# Altium PCB Mainboard.PcbDoc (part 1 of 4) (continued)
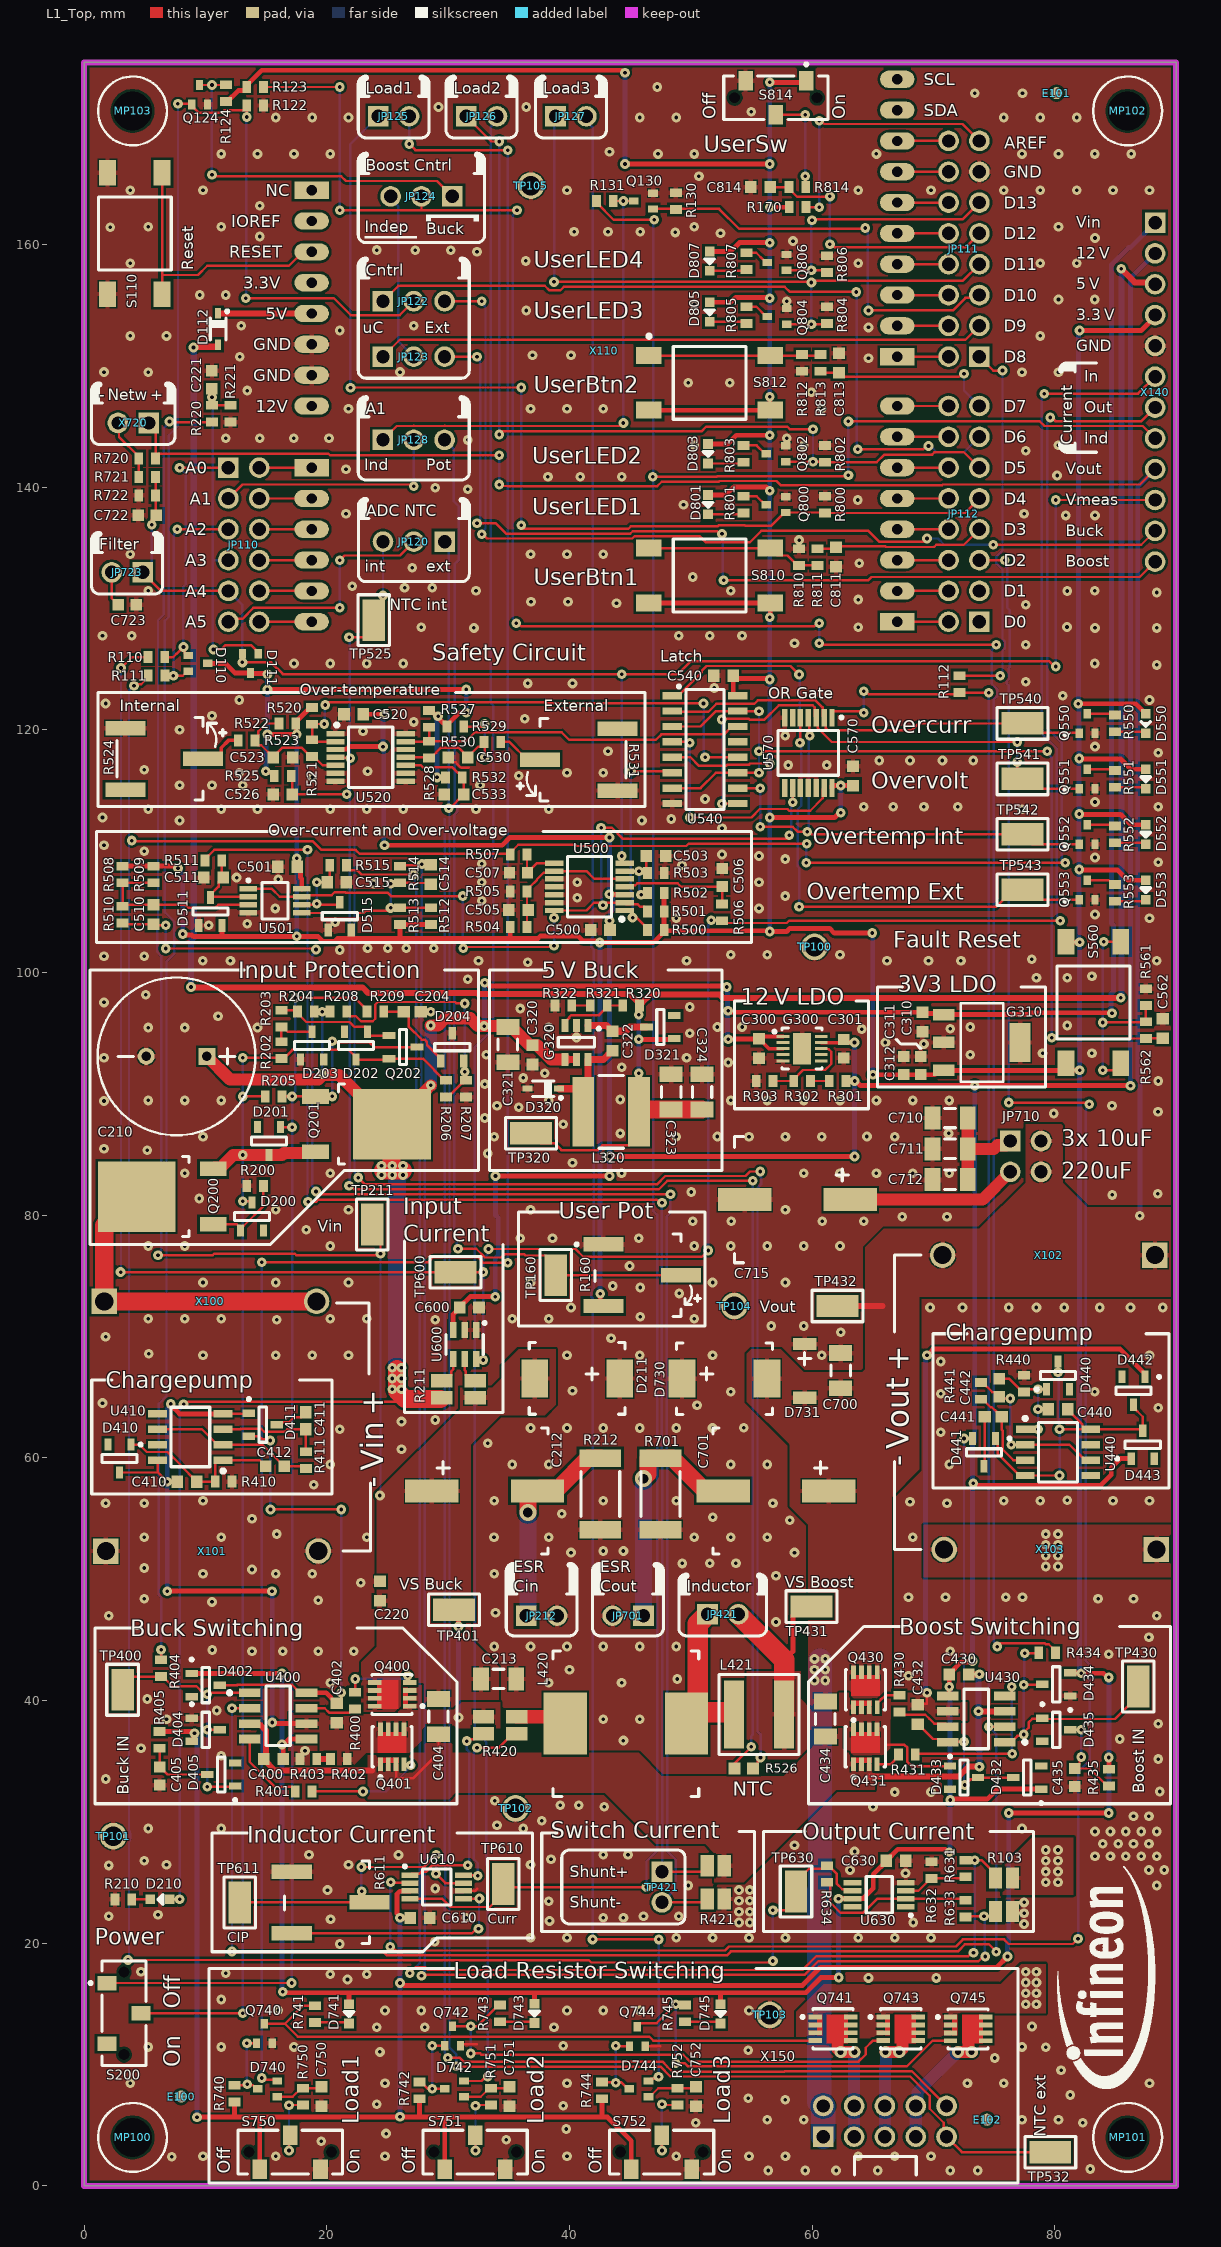
[diagram p0: L1_Top view]
## Components (designator, comment, footprint, x,y, rotation, side; value= is the part's Value field where it differs from the comment) (continued)
G320 "MCP16301T-E/CH" SOT95P280X145-6N-9 40.579,94.237 r270 top
JP110 "61301221121" CON-M-THT-61301221121 13.168,135.255 r0 top
JP111 "61301621121" CON-M-THT-61301621121 72.517,159.639 r180 top
JP112 "61301621121" CON-M-THT-61301621121 72.517,137.795 r180 top
JP120 "61300311121" CON-M-THT-61300311121 27.178,135.509 r180 top
JP122 "61300311121" CON-M-THT-61300311121 27.172,155.321 r0 top
JP123 "61300311121" CON-M-THT-61300311121 27.172,150.749 r0 top
JP124 "61300311121" CON-M-THT-61300311121 27.807,163.957 r180 top
JP125 "61300211121" CON-M-THT-61300211121 25.521,170.561 r0 top
JP126 "61300211121" CON-M-THT-61300211121 32.76,170.561 r0 top
JP127 "61300211121" CON-M-THT-61300211121 40.126,170.561 r0 top
JP128 "61300311121" CON-M-THT-61300311121 27.172,143.891 r0 top
JP212 "61300211121" CON-M-THT-61300211121 37.719,46.99 r0 top
JP421 "61300211121" CON-M-THT-61300211121 52.654,47.117 r0 top
JP701 "61300211121" CON-M-THT-61300211121 44.831,46.99 r180 top
JP710 "61300421121" CON-M-THT-61300421121 77.597,84.842 r0 top
JP723 "61300211121" CON-M-THT-61300211121 3.556,132.975 r180 top
L320 "22uH" IND-SMD-74404064220 43.434,88.519 r0 top
L420 "27uH" INDM120120X1000N 44.657,38.1 r0 top
L421 "15uH" IND-SMD-SRP6060FA 55.626,38.862 r0 top
MP100 "0082 3 16" "SCREW_0082 3 16_NPTH" 4,4 r90 top
MP101 "0082 3 16" "SCREW_0082 3 16_NPTH" 86,4 r90 top
MP102 "0082 3 16" "SCREW_0082 3 16_NPTH" 86,171 r90 top
MP103 "0082 3 16" "SCREW_0082 3 16_NPTH" 4,171 r90 top
Q124 "BSS816NW" SOT65P210X100-3N-1-V 9.519,172.339 r90 top
Q130 "BSS816NW" SOT65P210X100-3N-1-V 46.095,163.576 r180 top
Q200 "IPD650P06NM" TO228P998X250-3N-V2 7.493,81.534 r180 top
Q201 "IPD650P06NM" TO228P998X250-3N-V2 22.225,87.503 r0 top
Q202 "BSS84PH6327XTSA2" SOT95P240X110-3N-1 26.289,93.853 r0 top
Q400 "igfet_n_ch_enh_dio_1s2s3s4g5d6d7d8d_8p" INF-PG-TSDSON-8-FL 25.394,40.513 r180 top value=BSZ100N06NS
Q401 "igfet_n_ch_enh_dio_1s2s3s4g5d6d7d8d_8p" INF-PG-TSDSON-8-FL 25.394,36.195 r90 top value=BSZ100N06NS
Q430 "igfet_n_ch_enh_dio_1s2s3s4g5d6d7d8d_8p" INF-PG-TSDSON-8-FL 64.389,40.894 r90 top value=BSZ100N06NS
Q431 "igfet_n_ch_enh_dio_1s2s3s4g5d6d7d8d_8p" INF-PG-TSDSON-8-FL 64.383,36.195 r90 top value=BSZ100N06NS
Q550 "BSS816NW" SOT65P210X100-3N-1-V 82.671,120.523 r90 top
Q551 "BSS816NW" SOT65P210X100-3N-1-V 82.671,115.951 r90 top
Q552 "BSS816NW" SOT65P210X100-3N-1-V 82.671,111.379 r90 top
Q553 "BSS816NW" SOT65P210X100-3N-1-V 82.671,106.807 r90 top
Q740 "BSS816NW" SOT65P210X100-3N-1-V 14.859,12.573 r90 top
Q741 "igfet_n_ch_enh_dio_1s2s3s4g5d6d7d8d_8p" INF-PG-TSDSON-8-FL 61.722,12.954 r0 top value=BSZ100N06NS
Q742 "BSS816NW" SOT65P210X100-3N-1-V 30.368,12.357 r90 top
Q743 "igfet_n_ch_enh_dio_1s2s3s4g5d6d7d8d_8p" INF-PG-TSDSON-8-FL 67.31,12.954 r0 top value=BSZ100N06NS
Q744 "BSS816NW" SOT65P210X100-3N-1-V 45.593,12.319 r90 top
Q745 "igfet_n_ch_enh_dio_1s2s3s4g5d6d7d8d_8p" INF-PG-TSDSON-8-FL 72.858,12.946 r0 top value=BSZ100N06NS
Q800 "BSS816NW" SOT65P210X100-3N-1-V 57.017,138.557 r180 top
Q802 "BSS816NW" SOT65P210X100-3N-1-V 57.017,142.748 r180 top
Q804 "BSS816NW" SOT65P210X100-3N-1-V 57.106,154.066 r180 top
Q806 "BSS816NW" SOT65P210X100-3N-1-V 57.098,158.513 r180 top
R103 "15mR" RES-SMD-L4T12 75.819,24.003 r270 top
R110 "47k" RESC1609X50N 5.969,125.984 r180 top
R111 "47k" RESC1609X50N 5.975,124.46 r180 top
R112 "47k" RESC1609X50N 72.136,123.77 r90 top
R122 "100k" RESC1609X50N 14.097,171.45 r180 top
R123 "100k" RESC1609X50N 14.097,172.974 r0 top
R124 "1.3k" RESC1609X50N 11.684,172.466 r270 top
R130 "47k" RESC1609X50N 48.768,163.576 r270 top
R131 "1.3k" RESC1609X50N 42.926,163.576 r180 top
R160 "10k" POT-SMD-3361P 45.999,75.057 r0 top
R170 "20R" RESC1609X50N 58.801,163.068 r180 top
R200 "47k" RESC1609X50N 14.097,82.423 r0 top
R202 "47k" RESC1609X50N 16.256,93.599 r270 top
R203 "47k" RESC1609X50N 16.256,96.194 r270 top
R204 "2MEG" RESC1609X50N 18.288,96.774 r0 top
R205 "47k" RESC1609X50N 15.621,89.789 r180 top
R206 "64.9k" RESC1609X50N 29.845,90.424 r90 top
R207 "17.8k" RESC1609X50N 31.496,90.424 r90 top
R208 "2MEG" RESC1609X50N 20.955,96.774 r180 top
R209 "47k" RESC1609X50N 24.003,96.774 r180 top
R210 "17.8k" RESC1609X50N 3.247,23.622 r0 top
R211 "15mR" RES-SMD-L4T12 30.861,65.659 r180 top
R212 "300mR" RESC6432X89N-1 42.545,57.023 r90 top
R220 "47k" RESC1609X50N 10.541,146.05 r90 top
R221 "4.7k" RESC1609X50N 12.065,146.05 r90 top
R301 "17.8k" RESC1609X50N 62.103,91.059 r0 top
R302 "2.2k" RESC1609X50N 59.182,91.059 r0 top
R303 "2.2k" RESC1609X50N 56.079,91.059 r0 top
R320 "100k" RESC1609X50N 45.085,97.282 r180 top
R321 "17.8k" RESC1609X50N 42.418,97.282 r0 top
R322 "1.3k" RESC1609X50N 39.497,97.282 r0 top
R400 "20R" RESC1609X50N 22.346,40.005 r270 top
R401 "20R" RESC1609X50N 18.106,32.512 r180 top
R402 "2.2k" RESC1609X50N 21.004,35.179 r180 top
R403 "2.2k" RESC1609X50N 18.481,35.179 r180 top
R404 "4.7k" RESC1609X50N 6.35,42.672 r270 top
R405 "4.7k" RESC1609X50N 6.223,36.758 r90 top
R410 "1.3k" RESC1609X50N 11.502,58.039 r180 top
R411 "47k" RESC1609X50N 18.288,59.817 r270 top
R420 "15mR" RES-SMD-L4T12 34.29,37.973 r0 top
R421 "15mR" RES-SMD-L4T12 52.07,25.019 r270 top
R430 "20R" RESC1609X50N 67.183,39.751 r90 top
R431 "20R" RESC1609X50N 67.818,35.56 r180 top
R434 "4.7k" RESC1609X50N 79.375,43.942 r180 top
R435 "2.2k" RESC1609X50N 84.455,33.655 r270 top
R440 "1.3k" RESC1609X50N 77.47,66.112 r270 top
R441 "47k" RESC1609X50N 73.908,65.532 r90 top
R500 "17.8k" RESC1609X50N 47.117,103.505 r180 top
R501 "4.7k" RESC1609X50N 47.117,105.029 r180 top
R502 "4.7k" RESC1609X50N 47.117,106.553 r180 top
R503 "47k" RESC1609X50N 47.117,108.204 r0 top
R504 "47k" RESC1609X50N 35.814,103.759 r0 top
R505 "100k" RESC1609X50N 35.814,106.68 r0 top
R506 "100k" RESC1609X50N 52.578,104.957 r270 top
R507 "100k" RESC1609X50N 35.814,109.728 r180 top
R508 "47k" RESC1609X50N 3.175,108.077 r270 top
R509 "100k" RESC1609X50N 5.715,108.077 r90 top
R510 "4.7k" RESC1609X50N 3.175,104.775 r270 top
R511 "4.7k" RESC1609X50N 10.668,109.22 r0 top
R512 "47k" RESC1609X50N 28.575,104.642 r90 top
R513 "100k" RESC1609X50N 26.035,104.648 r270 top
R514 "4.7k" RESC1609X50N 26.035,108.077 r90 top
R515 "4.7k" RESC1609X50N 20.938,108.839 r180 top
R520 "4.7k" RESC1609X50N 18.796,121.158 r270 top
R521 "47k" RESC1609X50N 18.796,118.491 r90 top
R522 "17.8k" RESC1609X50N 16.764,120.523 r0 top
R523 "4.7k" RESC1609X50N 13.407,119.126 r180 top
R524 "10k" POT-SMD-3361P 6.604,117.602 r0 top
R525 "4.7k" RESC1609X50N 16.377,116.205 r0 top
R526 "10k" RESC1608X95N-1 54.368,34.417 r180 top
R527 "4.7k" RESC1609X50N 28.448,120.904 r270 top
R528 "47k" RESC1609X50N 28.448,118.364 r90 top
R529 "17.8k" RESC1609X50N 30.607,120.269 r180 top
R530 "4.7k" RESC1609X50N 33.655,118.999 r0 top
R531 "10k" POT-SMD-3361P 40.778,117.535 r180 top
R532 "4.7k" RESC1609X50N 30.48,116.078 r0 top
R550 "2.2k" RESC1609X50N 84.957,120.523 r90 top
R551 "2.2k" RESC1609X50N 84.957,115.951 r90 top
R552 "2.2k" RESC1609X50N 84.957,111.379 r90 top
R553 "2.2k" RESC1609X50N 84.957,106.553 r90 top
R561 "4.7k" RESC1609X50N 87.503,97.972 r270 top
R562 "64.9k" RESC1609X50N 87.503,95.25 r270 top
R611 "10k" POT-SMD-3361P 20.32,23.368 r0 top
R631 "1.3k" RESC1609X50N 72.644,26.162 r270 top
R632 "64.9k" RESC1609X50N 69.85,26.035 r270 top
R633 "1.3k" RESC1609X50N 72.644,22.86 r90 top
R634 "64.9k" RESC1609X50N 61.214,25.709 r90 top
R701 "300mR" RESC6432X89N-1 47.498,57.023 r90 top
R720 "20R" RESC1609X50N 5.207,142.367 r0 top
R721 "17.8k" RESC1609X50N 5.207,140.843 r0 top
R722 "1.3k" RESC1609X50N 5.207,139.319 r0 top
R740 "100k" RESC1609X50N 12.414,7.62 r270 top
R741 "17.8k" RESC1609X50N 19.05,14.169 r270 top
R742 "100k" RESC1609X50N 27.654,7.874 r270 top
R743 "17.8k" RESC1609X50N 34.29,14.224 r270 top
R744 "100k" RESC1609X50N 42.672,7.874 r270 top
R745 "17.8k" RESC1609X50N 49.53,14.224 r270 top
R750 "4.7k" RESC1609X50N 18.034,7.366 r90 top
R751 "4.7k" RESC1609X50N 33.528,7.366 r90 top
R752 "4.7k" RESC1609X50N 48.895,7.366 r90 top
R800 "47k" RESC1609X50N 61.081,138.557 r270 top
R801 "2.2k" RESC1609X50N 54.35,138.557 r90 top
R802 "47k" RESC1609X50N 61.081,142.748 r270 top
R803 "2.2k" RESC1609X50N 54.35,142.748 r90 top
R804 "47k" RESC1609X50N 61.208,154.178 r270 top
R805 "2.2k" RESC1609X50N 54.604,154.178 r90 top
R806 "47k" RESC1609X50N 61.208,158.369 r270 top
R807 "2.2k" RESC1609X50N 54.604,158.623 r90 top
R810 "4.7k" RESC1609X50N 58.922,134.239 r270 top
R811 "64.9k" RESC1609X50N 60.446,134.239 r270 top
R812 "4.7k" RESC1609X50N 59.182,150.241 r90 top
R813 "64.9k" RESC1609X50N 60.706,150.241 r90 top
R814 "17.8k" RESC1609X50N 58.795,164.719 r0 top
S110 "1301.9314" SW-SMD-1301.9314 4.185,160.909 r90 top
S200 "CL-SB-12A-01T" SW-SMD-CL-SB-12A-01T 3.296,14.224 r0 top
S560 "1301.9314" SW-SMD-1301.9314 83.185,97.536 r270 top
S750 "CL-SB-12A-01T" SW-SMD-CL-SB-12A-01T 16.986,2.794 r90 top
S751 "CL-SB-12A-01T" SW-SMD-CL-SB-12A-01T 32.226,2.794 r90 top
S752 "CL-SB-12A-01T" SW-SMD-CL-SB-12A-01T 47.593,2.794 r90 top
S810 "1301.9314" SW-SMD-1301.9314 51.556,132.715 r0 top
S812 "1301.9314" SW-SMD-1301.9314 51.556,148.59 r0 top
S814 "CL-SB-12A-01T" SW-SMD-CL-SB-12A-01T 57.017,172.085 r270 top
TP100 "5011" CON-THT-TP-5011 60.198,102.108 r90 top
TP101 "5011" CON-THT-TP-5011 2.413,28.829 r90 top
TP102 "5011" CON-THT-TP-5011 35.56,31.115 r90 top
TP103 "5011" CON-THT-TP-5011 56.515,14.097 r90 top
TP104 "5011" CON-THT-TP-5011 53.594,72.517 r90 top
TP105 "5011" CON-THT-TP-5011 36.83,164.846 r90 top
TP160 "S1751-46R" CON-SMD-TT-S1751-46 38.862,75.057 r270 top
TP211 "S1751-46R" CON-SMD-TT-S1751-46 23.749,79.248 r90 top
TP320 "S1751-46R" CON-SMD-TT-S1751-46 36.83,86.741 r180 top
TP400 "S1751-46R" CON-SMD-TT-S1751-46 3.175,40.894 r90 top
TP401 "S1751-46R" CON-SMD-TT-S1751-46 30.48,47.498 r180 top
TP421 "61300211121" CON-M-THT-61300211121 47.625,24.638 r270 top
TP430 "S1751-46R" CON-SMD-TT-S1751-46 86.868,41.148 r90 top
TP431 "S1751-46R" CON-SMD-TT-S1751-46 59.944,47.752 r0 top
TP432 "S1751-46R" CON-SMD-TT-S1751-46 62.103,72.517 r180 top
TP525 "S1751-46R" CON-SMD-TT-S1751-46 23.876,129.032 r90 top
TP532 "S1751-46R" CON-SMD-TT-S1751-46 79.629,2.794 r180 top
TP540 "S1751-46R" CON-SMD-TT-S1751-46 77.337,120.523 r0 top
TP541 "S1751-46R" CON-SMD-TT-S1751-46 77.337,115.951 r180 top
TP542 "S1751-46R" CON-SMD-TT-S1751-46 77.337,111.379 r180 top
TP543 "S1751-46R" CON-SMD-TT-S1751-46 77.337,106.807 r180 top
TP600 "S1751-46R" CON-SMD-TT-S1751-46 30.607,75.311 r0 top
TP610 "S1751-46R" CON-SMD-TT-S1751-46 34.544,24.892 r90 top
TP611 "S1751-46R" CON-SMD-TT-S1751-46 12.827,23.368 r90 top
TP630 "S1751-46R" CON-SMD-TT-S1751-46 58.674,24.257 r90 top
U400 "IRS2184SPBF" SOIC127P600X175-8N-12-V 15.996,38.735 r0 top
U410 "ICM7555IBAZ" SOIC127P600X175-8N-12 8.763,61.722 r180 top
U430 "IRS2184SPBF" SOIC127P600X175-8N-12-V 73.533,38.481 r180 top
U440 "ICM7555IBAZ" SOIC127P600X175-8N-12 80.258,60.452 r0 top
U500 "LM339PWR" SOP65P640X120-14N-1 41.656,107.061 r180 top
U501 "MCP6567-E/MS" SOP65P490X110-8N-7-V 15.742,105.918 r0 top
U520 "LM339PWR" SOP65P640X120-14N-1 23.616,117.729 r0 top
U540 "HEF4043BT,653" SOIC127P600X175-16N-6 51.181,118.37 r0 top
U570 "74HC4002PW,118" SOP65P640X110-14N-1 59.69,118.104 r270 top
U600 "MAX4073FAUT+T" SOT95P280X145-6N-2-V 31.369,69.342 r270 top
U610 "MAX40056TAUA+" SOP65P490X110-8N-4 29.083,24.638 r0 top
U630 "TLV197QDGKRQ1" SOP65P490X110-8N-V 65.532,24.003 r180 top
W100 "Net_Tie_2" Net_Tie_Small_2P 29.718,112.014 r90 bottom net-tie value="Net Tie_small_2p"
W500 "Net_Tie_2" Net_Tie_Small_2P 22.352,113.919 r90 bottom net-tie value="Net Tie_small_2p"
X100 "973 582-101" "CON-THT-973 582- 101" 10.414,72.898 r0 top
X101 "973 582-100" "CON-THT-973 582- 100" 10.554,52.324 r0 top
X102 "973 582-101" "CON-THT-973 582- 101" 79.502,76.708 r180 top
X103 "973 582-100" "CON-THT-973 582- 100" 79.629,52.451 r180 top
X110 "Arduino-Uno" Arduino-Uno 42.886,151.257 r270 top locked
X140 "61301211121" CON-M-THT-61301211121 88.265,147.828 r270 top
X150 "61201021621" CON-M-THT-61201021621 66,5.326 r90 top
X720 "61300211121" CON-M-THT-61300211121 4.064,145.288 r180 top

## Footprints (in the part's own frame and the unit in brackets; to place one, negate y for a bottom-side part, rotate by r counter-clockwise, add the part's x,y. Pads: shape width x height; smd on the part's side, far side on the other; paste and mask are expansions set on the pad)
Arduino-Uno [mm] "Arduino-Uno, THT, 32 Pin, 68.58 mm L X 53.34 mm W X 8.64 mm H body"
  rect 1.422x2.845 hole 0.85 paste+0 mask+0: 1A(-13.208,-24.13) 1B(9.652,-24.13) 1C(0.508,24.13) 1D(22.352,24.13)
  oval 1.422x2.845 hole 0.85 paste+0 mask+0: 2A(-10.668,-24.13) 2B(12.192,-24.13) 2C(-2.032,24.13) 2D(19.812,24.13) 3A(-8.128,-24.13) 3B(14.732,-24.13) 3C(-4.572,24.13) 3D(17.272,24.13) 4A(-5.588,-24.13) 4B(17.272,-24.13) 4C(-7.112,24.13) 4D(14.732,24.13) 5A(-3.048,-24.13) 5B(19.812,-24.13) 5C(-9.652,24.13) 5D(12.192,24.13) 6A(-0.508,-24.13) 6B(22.352,-24.13) 6C(-12.192,24.13) 6D(9.652,24.13) 7A(2.032,-24.13) 7C(-14.732,24.13) 7D(7.112,24.13) 8A(4.572,-24.13) 8C(-17.272,24.13) 8D(4.572,24.13) 9C(-19.812,24.13) 10C(-22.352,24.13)
CAPAE1030X1050N-2 [mm] "Capacitor,Aluminum Electrolytic;10.30mm L X 10.30mm W X 10.50mm H"
  rect 4.4x1.9 smd paste+0 mask+0: 1(-4.35,0) 2(4.35,0)
  silkscreen extent 4.7,-5.2 5.2,5.2, body extent -5.5,-5.15 5.5,5.15, height 10.5
CAPC1608X87N-1 [mm] "Capacitor,non-polarized,Chip;1.60mm L X 0.80mm W X 0.87mm H"
  rect 0.95x0.95 smd paste+0 mask+0: 1(-0.75,0) 2(0.75,0)
  body extent -0.8,-0.4 0.8,0.4, height 0.87
CAPC1608X90N-2 [mm] "Capacitor,non-polarized,Chip;1.60mm L X 0.81mm W X 0.90mm H"
  rect 0.95x1 smd paste+0 mask+0: 1(-0.8,0) 2(0.8,0)
  body extent -0.8,-0.41 0.8,0.41, height 0.9
CAPC1608X90N-3 [mm] "Capacitor,non-polarized,Chip;1.60mm L X 0.80mm W X 0.9mm H"
  rect 0.9x0.95 smd paste+0 mask+0: 1(-0.75,0) 2(0.75,0)
  body extent -0.8,-0.4 0.8,0.4, height 0.9
CAPC1608X90N-4 [mm] "Capacitor,non-polarized,Chip;1.60mm L X 0.80mm W X 0.90mm H"
  rect 1x0.95 smd paste+0 mask+0: 1(-0.7,0) 2(0.7,0)
  body extent -0.8,-0.4 0.8,0.4, height 0.9
CAPC3216X190N-1 [mm] "Capacitor,non-polarized,Chip;3.20mm L X 1.60mm W X 1.90mm H"
  rect 1.3x1.9 smd paste+0 mask+0: 1(-1.45,0) 2(1.45,0)
  silkscreen extent -0.45,-0.8 0.45,0.8, body extent -1.6,-0.8 1.6,0.8, height 1.9
CAPPRD500W60D1300H2700B [mm] "Capacitor,polarized,Radial;5.00mm C X 0.60mm W 13.00mm Dia X 27.00mm H"
  rect 1.4x1.4 hole 0.8 mask+0: 1(-2.5,0)
  round 1.4 hole 0.8 mask+0: 2(2.5,0)
  silkscreen extent -6.5,-6.5 6.5,6.5, body extent -6.75,-6.75 6.75,6.75, height 27
CON-M-THT-61201021621 [mm] "Connector, THT, 2.54mm Pitch; 10 Pins, 9.10 mm L X 20.36 mm W X 9.25 mm H body"
  rect 1.7x1.7 hole 1.1 paste+0 mask+0: 1(-1.27,5.08)
  round 1.7 hole 1.1 paste+0 mask+0: 2(1.27,5.08) 3(-1.27,2.54) 4(1.27,2.54) 5(-1.27,0) 6(1.27,0) 7(-1.27,-2.54) 8(1.27,-2.54) 9(-1.27,-5.08) 10(1.27,-5.08)
  body extent -4.46,-10.18 4.71,10.18, height 9.1
CON-M-THT-61300211121 [mm] "Header, Vertical, 2.54mm Pitch; 2 Pins, Single row, 5.08mm L X 2.54mm W X 8.89mm H body"
  rect 1.7x1.7 hole 1.1 paste+0 mask+0: 1(-1.27,0)
  round 1.7 hole 1.1 paste+0 mask+0: 2(1.27,0)
  body extent -2.54,-1.27 2.54,1.27, height 8.54
CON-M-THT-61300311121 [mm] "Connector, THT; 2.54mm pitch, 7.62 mm L X 2.54 mm X 8.89 mm H body"
  rect 1.7x1.7 hole 1.1 paste+0 mask+0: 1(-2.54,0)
  round 1.7 hole 1.1 paste+0 mask+0: 2(0,0) 3(2.54,0)
  body extent -3.81,-1.27 3.81,1.27, height 8.54
CON-M-THT-61300421121 [mm] "Connector, THT, 2.54mm pitch, 4 pins,5.08mm L X 5.08mm W X 8.89mm H body"
  rect 1.7x1.7 hole 1.1 paste+0 mask+0: 1(-1.27,1.27)
  round 1.7 hole 1.1 paste+0 mask+0: 2(1.27,1.27) 3(-1.27,-1.27) 4(1.27,-1.27)
  body extent -2.54,-2.54 2.54,2.54, height 8.54
CON-M-THT-61301211121 [mm] "Connector, THT, 2.54 mm Pitch, 12 pin, 30.48 mm L X 2.54 mm W X 8.89 mm H body"
  rect 1.7x1.7 hole 1.1 paste+0 mask+0: 1(-13.97,0)
  round 1.7 hole 1.1 paste+0 mask+0: 2(-11.43,0) 3(-8.89,0) 4(-6.35,0) 5(-3.81,0) 6(-1.27,0) 7(1.27,0) 8(3.81,0) 9(6.35,0) 10(8.89,0) 11(11.43,0) 12(13.97,0)
  body extent -15.24,-1.27 15.24,1.27, height 8.54
CON-M-THT-61301221121 [mm] "Connector, THT, 2.54 mm pitch, 12 pin, 5.08 mm L X 15.24 mm W X 8.89 mm H body"
  rect 1.7x1.7 hole 1.1 paste+0 mask+0: 1(-1.27,6.35)
  round 1.7 hole 1.1 paste+0 mask+0: 2(1.27,6.35) 3(-1.27,3.81) 4(1.27,3.81) 5(-1.27,1.27) 6(1.27,1.27) 7(-1.27,-1.27) 8(1.27,-1.27) 9(-1.27,-3.81) 10(1.27,-3.81) 11(-1.27,-6.35) 12(1.27,-6.35)
  body extent -2.54,-7.62 2.54,7.62, height 8.54
CON-M-THT-61301621121 [mm] "Connector, THT, 2.54 mm pitch, 16 pin, 5.08 mm L X 20.32 mm W X 8.89 mm H body"
  rect 1.7x1.7 hole 1.1 paste+0 mask+0: 1(-1.27,8.89)
  round 1.7 hole 1.1 paste+0 mask+0: 2(1.27,8.89) 3(-1.27,6.35) 4(1.27,6.35) 5(-1.27,3.81) 6(1.27,3.81) 7(-1.27,1.27) 8(1.27,1.27) 9(-1.27,-1.27) 10(1.27,-1.27) 11(-1.27,-3.81) 12(1.27,-3.81) 13(-1.27,-6.35) 14(1.27,-6.35) 15(-1.27,-8.89) 16(1.27,-8.89)
  body extent -2.54,-10.16 2.54,10.16, height 8.54
CON-SMD-TT-S1751-46 [mm] "Test Terminal, SMD, 3.25mm L X 1.65mm W X 2.15mm H body"
  rect 3.45x1.85 smd paste+0 mask+0: 1(0,0)
  silkscreen extent -2.1,-1.3 2.1,1.3, body extent -1.62,-0.82 1.63,0.82, height 2.05
"CON-THT-973 582- 100" [mm] "Banana Jack, 2 pins, 17.5mm Pitch, 21mm L X 7.5mm W X 10.5mm H body"
  rect 2.1x2.1 hole 1.5 paste+0 mask+0: 1(-8.75,0)
  round 2.1 hole 1.5 paste+0 mask+0: 2(8.75,0)
  body extent -9.2,-4.25 11.8,3.75, height 10.5
"CON-THT-973 582- 101" [mm] "Banana Jack, 2 pins, 17.5mm Pitch, 21mm L X 7.5mm W X 10.5mm H body"
  rect 2.1x2.1 hole 1.5 paste+0 mask+0: 1(-8.75,0)
  round 2.1 hole 1.5 paste+0 mask+0: 2(8.75,0)
  body extent -9.2,-4.25 11.8,3.75, height 10.5
CON-THT-TP-5011 [mm] "Test Point, 1.78 mm Lead Width, Round, 3.17 mm Dia X 8.28 mm H body"
  round 2.2 hole 1.6 paste+0 mask+0: 1(0,0)
  body extent -1.59,-1.59 1.59,1.59, height 8.13
DIOM7959X262N [mm] "Diode,Molded Body;7.94mm L X 5.905mm W X 2.62mm H"
  rect 2.2x3.15 smd paste+0 mask+0: 1(-3.5,0) 2(3.5,0)
  silkscreen extent -3.95,-2.95 3.95,2.95, body extent -3.97,-2.95 3.97,2.95, height 2.62
fiducial [mm] "Fiducial Marker For PCB, 1mm"
  round 1 smd paste-0.5 mask+1: 1(0,0)
IND-SMD-74404064220 [mm] "Inductor; 2 pin, 6.00 mm L X 6.00 mm W X 4.50 mm H Body"
  rect 1.8x5.7 smd mask+0: 1(-2.3,0) 2(2.3,0)
  silkscreen extent -1,-3 1,3, body extent -3,-3 3,3, height 4.5
IND-SMD-SRP6060FA [mm] "Inductor, SMD, 2 pin, 6.40 mm L X 6.60 mm W X 6.00 mm H body"
  rect 1.65x5.6 smd paste+0 mask+0: 1(-2.075,0) 2(2.075,0)
  silkscreen extent -3.3,-3.3 3.3,3.3, body extent -3.2,-3.3 3.2,3.3, height 5.86
INDM120120X1000N [mm] "Inductor,Molded Body;12.00mm L X 12.00mm W X 10.00mm H"
  rect 3.55x5.1 smd paste+0 mask+0: 1(-5,0) 2(5,0)
  silkscreen extent -6,-6 6,6, body extent -6,-6 6,6, height 10.36
INF-PG-TSDSON-8-FL [mm] "SON,0.65mm pitch;8 pin,3.3mm W X 3.3mm L X 1.10mm H body"
  rect 1.1x0.4 smd paste+0 mask+0: 1(-1.45,0.975) 2(-1.45,0.325) 3(-1.45,-0.325) 4(-1.45,-0.975) 5(1.45,-0.975) 6(1.45,-0.325) 7(1.45,0.325) 8(1.45,0.975)
  L1_Top region: -0.9,-0.525 -1.3,-0.525 -1.3,1.175 -0.9,1.175
  L1_Top region: 1.212,1.175 -0.497,1.175 -0.497,-1.175 1.212,-1.175
  silkscreen extent -2.63,-1.65 1.65,1.65, body extent -1.65,-1.65 1.65,1.65, height 1.01
LEDSC160X80X80-2N-1 [mm] "LED,Side Concave; 2 pin,1.60mm W X 0.80mm L X 0.80mm H"
  rect 0.8x0.8 smd paste+0 mask+0: 1(-0.8,0) 2(0.8,0)
  body extent -0.8,-0.4 0.8,0.4, height 0.7
Net_Tie_Small_2P [mm] "SMD Net Tie 0.2mm x 0.6mm"
  round 0.1 smd paste+0 mask+0: 1(-0.245,0) 2(0.245,0)
  L1_Top lines w0.2: -0.2,0 0.2,0
POT-SMD-3361P [mm] "Potentiometer, SMD; 3 pin, 7.04 mm L X 6.71 mm W X 5.84 mm H Body"
  rect 3.3x1.19 smd paste+0 mask+0: 1(-3.2,2.54) 2(3.2,0) 3(-3.2,-2.54)
  silkscreen extent -5.52,-3.4 3.2,3.4, body extent -4.54,-3.35 3.99,3.35, height 5.23
RES-SMD-L4T12 [mm] "Resistor, SMD, 4 pin, 3.00 mm L X 1.60 mm W X 0.65 mm H body"
  rect 1.75x1.1 smd paste+0 mask+0: 1(-1.375,0.7) 2(1.375,0.7) 3(-1.375,-0.7) 4(1.375,-0.7)
  body extent -1.5,-0.8 1.5,0.8, height 0.65
RESC1608X95N-1 [mm] "Resistor,Chip;1.60mm L X 0.80mm W X 0.95mm H"
  rect 1x1 smd paste+0 mask+0: 1(-0.75,0) 2(0.75,0)
  body extent -0.8,-0.4 0.8,0.4, height 0.95
RESC1609X50N [mm] "Resistor,Chip;1.575mm L X 0.85mm W X 0.50mm H"
  rect 0.72x0.99 smd paste+0 mask+0: 1(-0.69,0) 2(0.69,0)
  body extent -0.79,-0.42 0.79,0.42, height 0.5
RESC6432X89N-1 [mm] "Resistor,Chip;6.35mm L X 3.18mm W X 0.889mm H"
  rect 1.45x3.45 smd paste+0 mask+0: 1(-2.95,0) 2(2.95,0)
  silkscreen extent -1.85,-1.6 1.85,1.6, body extent -3.18,-1.59 3.18,1.59, height 0.89
"SCREW_0082 3 16_NPTH" [mm] "M3 Cheese Head Screw X 5.68mm Head"
  round 0 hole 3.2 unplated paste+0 mask+0: ""(0,0)
  silkscreen extent -2.84,-2.84 2.84,2.84, body extent -2.84,-2.84 2.84,2.84, height 3
SOD2513X110N [mm] "SOD;1.75mm W X 1.30mm L X 1.10mm H body"
  rect 0.85x0.5 smd paste+0 mask+0: 1(-1.3,0) 2(1.3,0)
  silkscreen extent -1.57,-0.65 0.9,0.88, body extent -0.87,-0.65 0.87,0.65, height 1.1
SODFL4725X110N [mm] "SODFL Diode;3.80mm W X 2.5mm L X 1.10mm H body"
  rect 1x1.93 smd paste+0 mask+0: 1(-2.21,0) 2(2.21,0)
  body extent -2.35,-1.25 2.35,1.25, height 1.1
SOIC127P600X175-8N-12 [mm] "SOIC,1.27mm pitch;8 pin,3.90mm W X 4.90mm L X 1.75mm H body"
  rect 1.55x0.6 smd paste+0 mask+0: 1(-2.7,1.905) 2(-2.7,0.635) 3(-2.7,-0.635) 4(-2.7,-1.905) 5(2.7,-1.905) 6(2.7,-0.635) 7(2.7,0.635) 8(2.7,1.905)
  silkscreen extent -2.85,-2.45 1.6,2.95, body extent -2.99,-2.45 3.02,2.45, height 1.75
SOIC127P600X175-8N-12-V [mm] "SOIC,1.27mm pitch;8 pin,3.90mm W X 4.90mm L X 1.75mm H body"
  rect 1.78x0.72 smd paste+0 mask+0: 1(-2.34,1.905) 2(-2.34,0.635) 3(-2.34,-0.635) 4(-2.34,-1.905) 5(2.34,-1.905) 6(2.34,-0.635) 7(2.34,0.635) 8(2.34,1.905)
  silkscreen extent -4.15,-2.45 1,2.45, body extent -3,-2.45 3,2.45, height 1.76
SOIC127P600X175-16N-6 [mm] "SOIC,1.27mm pitch;16 pin,3.90mm W X 9.90mm L X 1.75mm H body"
  rect 1.6x0.6 smd paste+0 mask+0: 1(-2.7,4.445) 2(-2.7,3.175) 3(-2.7,1.905) 4(-2.7,0.635) 5(-2.7,-0.635) 6(-2.7,-1.905) 7(-2.7,-3.175) 8(-2.7,-4.445) 9(2.7,-4.445) 10(2.7,-3.175) 11(2.7,-1.905) 12(2.7,-0.635) 13(2.7,0.635) 14(2.7,1.905) 15(2.7,3.175) 16(2.7,4.445)
  silkscreen extent -2.28,-4.95 1.57,5.33, body extent -3,-4.95 3,4.95, height 1.75
SON50P330X330X110-11N-V [mm] "SON,0.50mm pitch;10 pin,3.30mm W X 3.30mm L X 1.10mm H body (w/thermal tab)"
  rect 1.05x0.25 smd paste+0 mask+0: 1(-1.575,1) 2(-1.575,0.5) 3(-1.575,0) 4(-1.575,-0.5) 5(-1.575,-1) 6(1.575,-1) 7(1.575,-0.5) 8(1.575,0) 9(1.575,0.5) 10(1.575,1)
  rect 1.5x2.6 smd paste-0.75 mask+0: 11(0,0)
  silkscreen extent -2.4,-1.69 1.65,1.69, body extent -1.65,-1.65 1.65,1.65, height 1.06
SOP65P490X110-8N-4 [mm] "SOP,0.65mm pitch;8 pin,3.00mm W X 3.00mm L X 1.10mm H body"
  rect 1.4x0.45 smd paste+0 mask+0: 1(-2.2,0.975) 2(-2.2,0.325) 3(-2.2,-0.325) 4(-2.2,-0.975) 5(2.2,-0.975) 6(2.2,-0.325) 7(2.2,0.325) 8(2.2,0.975)
  silkscreen extent -2.77,-1.5 1.17,1.82, body extent -2.45,-1.5 2.45,1.5, height 1.1
SOP65P490X110-8N-7-V [mm] "SOP,0.65mm pitch;8 pin,3.00mm W X 3.00mm L X 1.10mm H body"
  rect 1.45x0.45 smd paste+0 mask+0: 1(-2.2,0.975) 2(-2.2,0.325) 3(-2.2,-0.325) 4(-2.2,-0.975) 5(2.2,-0.975) 6(2.2,-0.325) 7(2.2,0.325) 8(2.2,0.975)
  silkscreen extent -2.32,-1.5 1.08,1.8, body extent -2.45,-1.5 2.45,1.5, height 1.1
SOP65P490X110-8N-V [mm] "SOP,0.65mm pitch;8 pin,3.00mm W X 3.00mm L X 1.10mm H body"
  rect 1.45x0.45 smd paste+0 mask+0.05: 1(-2.2,0.975) 2(-2.2,0.325) 3(-2.2,-0.325) 4(-2.2,-0.975) 5(2.2,-0.975) 6(2.2,-0.325) 7(2.2,0.325) 8(2.2,0.975)
  silkscreen extent -2.73,-1.5 1.07,1.82, body extent -2.45,-1.5 2.45,1.5, height 1.1
SOP65P640X110-14N-1 [mm] "SOP,0.65mm,pitch;14 pin,4.40mm W X 5.00mm L X 1.10mm H body"
  rect 1.45x0.45 smd paste+0 mask+0: 1(-2.9,1.95) 2(-2.9,1.3) 3(-2.9,0.65) 4(-2.9,0) 5(-2.9,-0.65) 6(-2.9,-1.3) 7(-2.9,-1.95) 8(2.9,-1.95) 9(2.9,-1.3) 10(2.9,-0.65) 11(2.9,0) 12(2.9,0.65) 13(2.9,1.3) 14(2.9,1.95)
  silkscreen extent -3.04,-2.5 1.85,2.85, body extent -3.2,-2.5 3.2,2.5, height 1.1
SOP65P640X120-14N-1 [mm] "SOP,0.65mm pitch;14 pin,4.40mm W X 5.00mm L X 1.20mm H body"
  rect 1.5x0.45 smd paste+0 mask+0: 1(-2.9,1.95) 2(-2.9,1.3) 3(-2.9,0.65) 4(-2.9,0) 5(-2.9,-0.65) 6(-2.9,-1.3) 7(-2.9,-1.95) 8(2.9,-1.95) 9(2.9,-1.3) 10(2.9,-0.65) 11(2.9,0) 12(2.9,0.65) 13(2.9,1.3) 14(2.9,1.95)
  silkscreen extent -2.82,-2.5 1.83,2.82, body extent -3.05,-2.5 3.05,2.5, height 1.21
SOT65P210X100-3N-1-V [mm] "SOT,0.65mm pitch;3 pin,1.25mm W X 2.00mm L X 1.00mm H body"
  rect 0.8x0.6 smd paste+0 mask+0: 1(-0.8,0.65) 2(-0.8,-0.65) 3(0.8,0)
  body extent -1.06,-1.02 1.04,0.98, height 1
SOT95P230X110-3N [mm] "SOT,0.95mm pitch;3 pin,1.30mm W X 2.90mm L X 1.10mm H body"
  rect 1x0.6 smd paste+0 mask+0: 1(-1.15,0.95) 2(-1.15,-0.95) 3(1.15,0)
  silkscreen extent -0.33,-1.45 0.33,1.45, body extent -1.15,-1.45 1.15,1.45, height 1.11
SOT95P237X112-3N-1 [mm] "SOT,0.95mm pitch;3 pin,1.30mm W X 2.92mm L X 1.12mm H body"
  rect 1.05x0.6 smd paste+0 mask+0: 1(-1.15,0.95) 2(-1.15,-0.95) 3(1.15,0)
  silkscreen extent -0.3,-1.45 0.3,1.45, body extent -1.18,-1.46 1.18,1.46, height 1.12
SOT95P240X110-3N-1 [mm] "SOT,0.95mm pitch;3 pin,1.30mm W X 2.90mm L X 1.10mm H body"
  rect 1.05x0.6 smd paste+0 mask+0: 1(-1.15,0.95) 2(-1.15,-0.95) 3(1.15,0)
  silkscreen extent -0.3,-1.45 0.3,1.45, body extent -1.21,-1.45 1.19,1.45, height 1.1
SOT95P280X145-6N-2-V [mm] "SOT,0.95mm pitch;6 pin,1.625mm W X 2.90mm L X 1.45mm H body"
  rect 1.33x0.56 smd paste+0 mask+0: 1(-1.2,0.95) 2(-1.2,0) 3(-1.2,-0.95) 4(1.2,-0.95) 5(1.2,0) 6(1.2,0.95)
  silkscreen extent -1.9,-1.53 0.81,1.78, body extent -1.22,-1.4 1.21,1.4, height 1.09
SOT95P280X145-6N-9 [mm] "SOT,0.95mm,pitch;6 pin,1.60mm W X 2.90mm L X 1.45mm H body"
  rect 1.1x0.6 smd paste+0 mask+0: 1(-1.4,0.95) 2(-1.4,0) 3(-1.4,-0.95) 4(1.4,-0.95) 5(1.4,0) 6(1.4,0.95)
  silkscreen extent -1.26,-1.5 0.38,1.96, body extent -1.6,-1.55 1.6,1.55, height 1.45
SOT230P700X180-4N [mm] "SOT,2.30mm pitch;4 pin,3.50mm W X 6.50mm L X 1.80mm H body"
  rect 1.75x0.95 smd paste+0 mask+0: 1(-3.15,2.3) 2(-3.15,0) 3(-3.15,-2.3)
  rect 1.75x3.2 smd paste+0 mask+0: 4(3.15,0)
  silkscreen extent -1.75,-3.25 1.75,3.25, body extent -3.5,-3.25 3.5,3.25, height 1.8
SW-SMD-1301.9314 [mm] "SMD Switch , 6.00mm L X 6.00mm W X 4.3mm H body"
  rect 2.1x1.4 smd paste+0 mask+0: 1(-5,2.25) 2(5,2.25) 3(-5,-2.25) 4(5,-2.25)
  silkscreen extent -3,-3 3,3, body extent -5,-3 5,3, height 4.3
SW-SMD-CL-SB-12A-01T [mm] "Switch, SMD, 3 Pins, 3.50 mm W X 8.50 mm L X 6.10 mm H body"
  rect 1.6x1.2 smd paste+0 mask+0: 1(-1.4,2.5) 2(1.4,0) 3(-1.4,-2.5)
  round 0 hole 0.9 unplated paste+0 mask+0: ""(0,-3.4) ""(0,3.4)
  silkscreen extent -2.87,-4.3 1.8,4.3, body extent -1.75,-4.25 1.75,4.25, height 5.5
TO228P998X250-3N-V2 [mm] "TO,2.28mm pitch;2 pin,9.98mm L X 6.50mm W X 2.50mm H body"
  rect 2.2x1.2 smd paste-0.05 mask+0: 1(-3.15,2.28) 3(-3.15,-2.28)
  rect 6.4x5.8 smd paste-2.9 mask+0: 2(3.15,0)
  silkscreen extent -1.14,-3.3 -0.63,3.3, body extent -3.94,-3.25 6.04,3.25, height 2.36

## Part data
C204 C411 C441: library part 309974, "CAP / CERA / 10nF / 50V / 10% / X8R (EIA) / -55°C to 150°C / 0603(1608) / SMD / -", Legacy PartNumber=CAP01010834, Manufacturer="TDK Corporation", Package Description="Capacitor,non-polarized,Chip;1.60mm L X 0.80mm W X 0.90mm H", Package Imperial=0603, Package Metric=1608, Supplier Part Number 1=1844454, Temperature max=150, Temperature min=-55, Temperature Range=Military, Tolerance Neg=10%, Voltage DC (max)=50V, Alternate View=Yes, Article Number=309974, Automotive Qualified=No, Combined Parameters="TC:X8R (EIA);Tol.:-10%/+10%;Vdc:50V", ComponentLink1Description="Vendor WebSite", ComponentLink1URL=http://www.tdk.com, ComponentLink2Description=Datasheet, ComponentLink2URL=http://webnetprod.muc.infineon.com/PCBPortal_Prod/WorkFlows/AltiumComponent/StandardDocumentation?Versionid=309975, ComponentStatus=Released, Legacy DeviceID=CAP01010834, Manufacturer Order Number=C1608X8R1H103K080AA, Multiple Parts=No, PackageReference="0603 (1608)", Part Type=Capacitor, PLMStatus=Active, QuickPick="10nF / 50V / 10% / X8R (EIA) / 0603 (1608)", RoHS Compliant=Y, Second Source allowed=Yes, Style=Single, Supplier 1=Farnell, Supplier 2=DigiKey, Supplier 3=Mouser, Supplier Part Number 2=445-2504-2-ND, Supplier Part Number 3=810-C1608X8R1H103K, Symbol Type="Capacitor; Single; Standard; 2 Pins", Technology=Ceramic, Tolerance Pos=10%, Type=Standard, Version Number=V01
C210: library part 646789, "CAP / ELCO / 1mF / 35V / 20% / Aluminiumelectrolytic / -40°C to 105°C / 5.00mm C X 0.60mm W 13.00mm Dia X 27.00mm H / - / -", Manufacturer=Kemet, Package Description="Capacitor,polarized,Radial;5.00mm C X 0.60mm W 13.00mm Dia X 27.00mm H", Supplier Part Number 1=2835188, Temperature max=105, Temperature min=-40, Temperature Range=Industrial, Tolerance Neg=20%, Voltage DC (max)=35V, Alternate View=Yes, Application=Standard, Article Number=646789, Automotive Qualified=No, Combined Parameters=TC:Aluminiumelectrolytic;Tol.:-20%/+20%;Vdc:35V, ComponentLink1Description="Vendor WebSite", ComponentLink1URL=http://www.kemet.com, ComponentLink2Description=Datasheet, ComponentLink2URL=http://webnetprod.muc.infineon.com/PCBPortal_Prod/WorkFlows/AltiumComponent/StandardDocumentation?Versionid=646790, ComponentStatus=Released, Manufacturer Order Number=ESY108M035AL4AA, Multible Parts=No, PackageReference=Radial, Part Type=Capacitor, PLMStatus=Active, QuickPick="1mF / 35V / 20% / Aluminiumelectrolytic / Radial", RoHS Compliant=Y, Second Source allowed=Yes, Style=Single, Supplier 1=Farnell, Supplier 2=DigiKey, Supplier 3=Mouser, Supplier Part Number 2=399-6120-ND, Supplier Part Number 3=80-ESY108M035AL4AA, Symbol Type="Capacitor; Single; Polarized; 2 Pins; Pin 1 Positive", Technology=Electrolytic, Tolerance Pos=20%, Type=Polarized, Version Number=V01
C212 C701 C715: library part 646791, "CAP / ELCO / 220uF / 50V / 20% / Aluminiumelectrolytic / -55°C to 105°C / 10.30mm L X 10.30mm W X 10.50mm H / SMD / -", Manufacturer="Wurth Elektronik", Package Description="Capacitor,Aluminum Electrolytic;10.30mm L X 10.30mm W X 10.50mm H", Supplier Part Number 1=2466345, Temperature max=105, Temperature min=-55, Temperature Range=Military, Tolerance Neg=20%, Voltage DC (max)=50V, Alternate View=Yes, Application=Standard, Article Number=646791, Automotive Qualified=No, Combined Parameters=TC:Aluminiumelectrolytic;Tol.:-20%/+20%;Vdc:50V, ComponentLink1Description="Vendor WebSite", ComponentLink1URL=http://www.we-online.com, ComponentLink2Description=Datasheet, ComponentLink2URL=http://webnetprod.muc.infineon.com/PCBPortal_Prod/WorkFlows/AltiumComponent/StandardDocumentation?Versionid=646792, ComponentStatus=Released, Manufacturer Order Number=865080657018, Multible Parts=No, PackageReference=SMD, Part Type=Capacitor, PLMStatus=Active, QuickPick="220uF / 50V / 20% / Aluminiumelectrolytic / SMD", RoHS Compliant=Y, Second Source allowed=Yes, Style=Single, Supplier 1=Farnell, Supplier 2=DigiKey, Supplier 3=Mouser, Supplier Part Number 2=732-8463-1-ND, Supplier Part Number 3=710-865080657018, Symbol Type="Capacitor; Single; Polarized; 2 Pins; Pin 1 Positive", Technology=Electrolytic, Tolerance Pos=20%, Type=Polarized, Version Number=V01